# KiCad board minputer.kicad_pcb
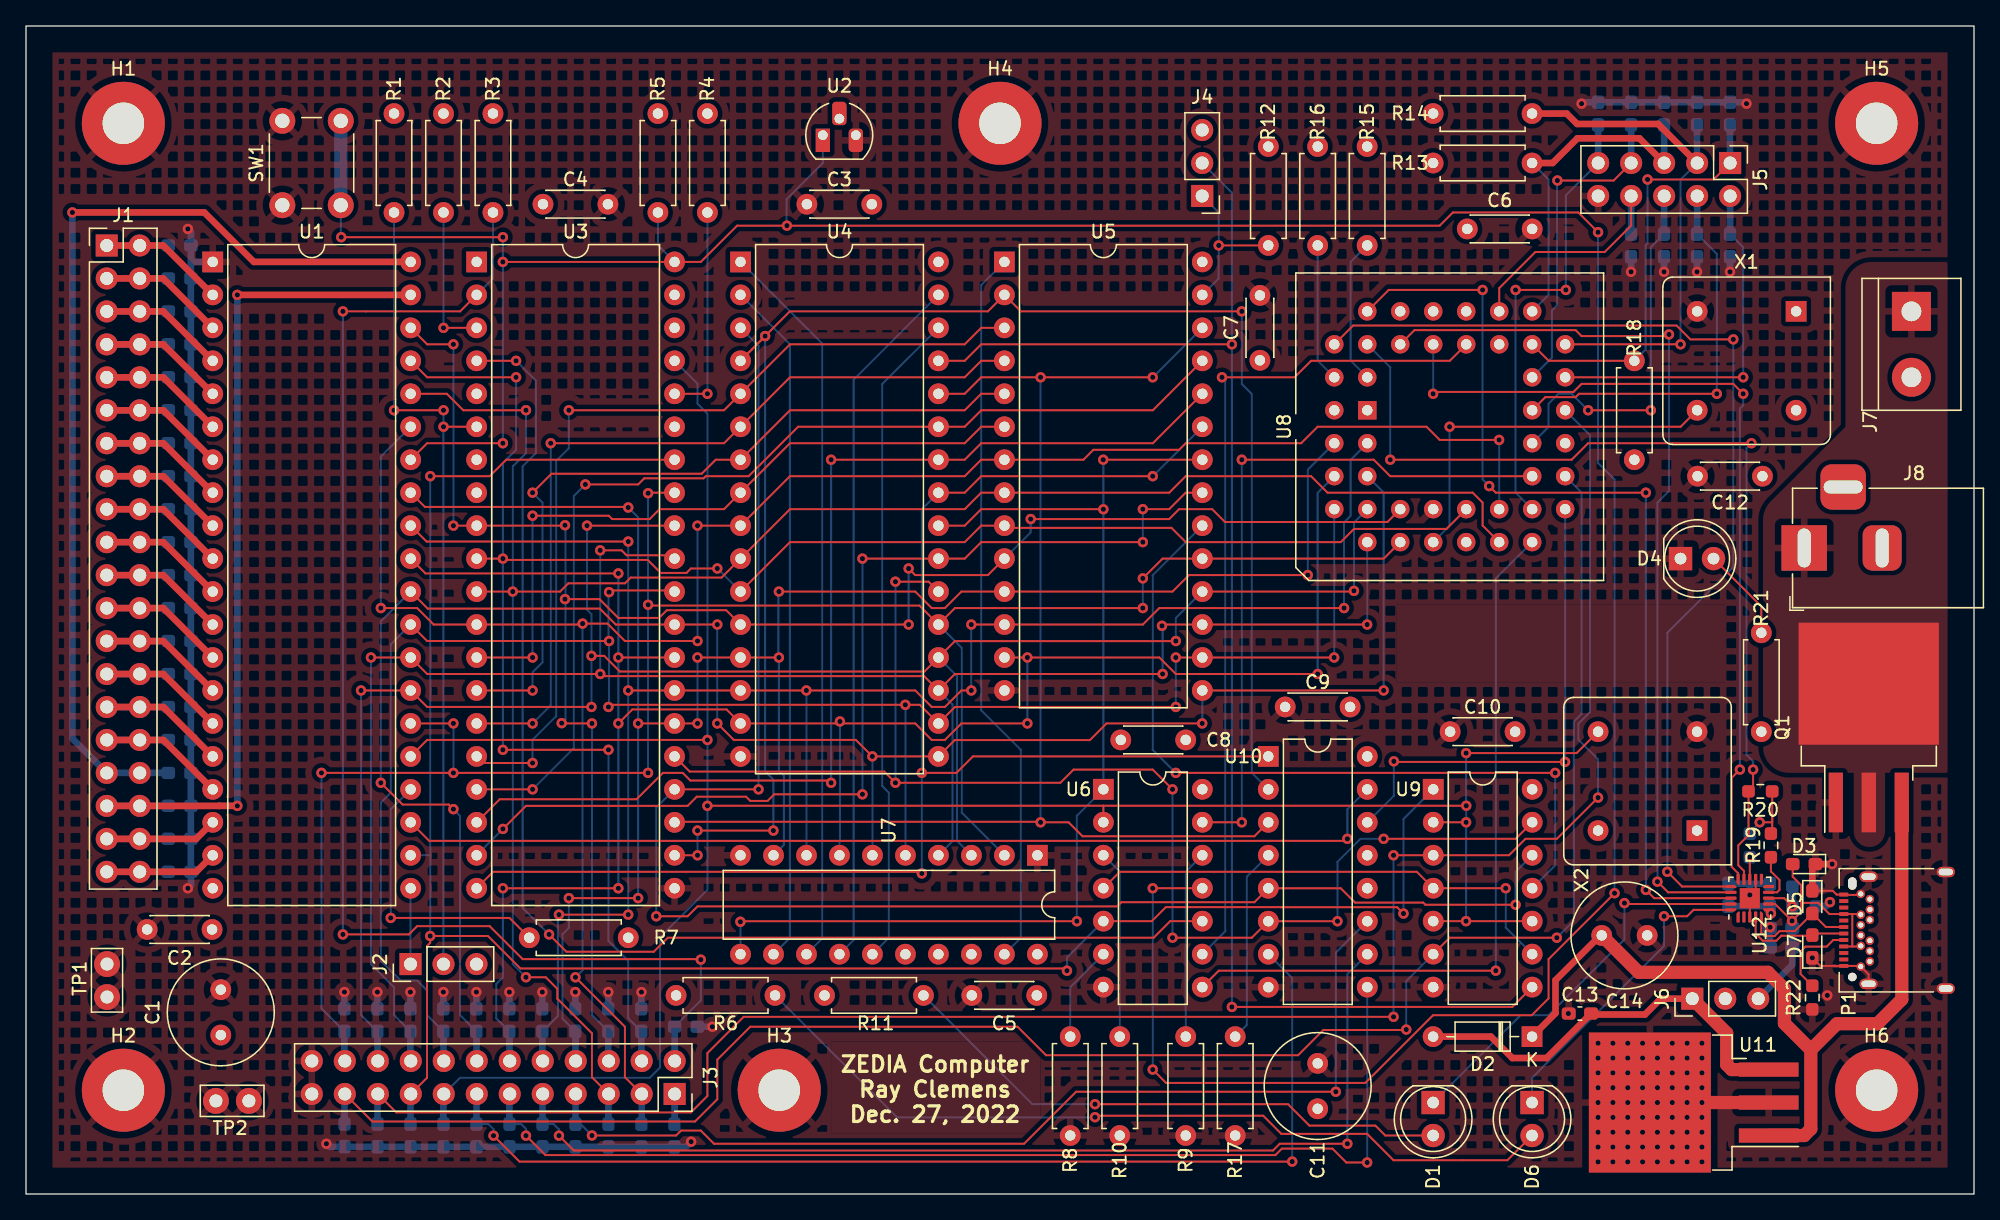
[diagram p0: board, top side]
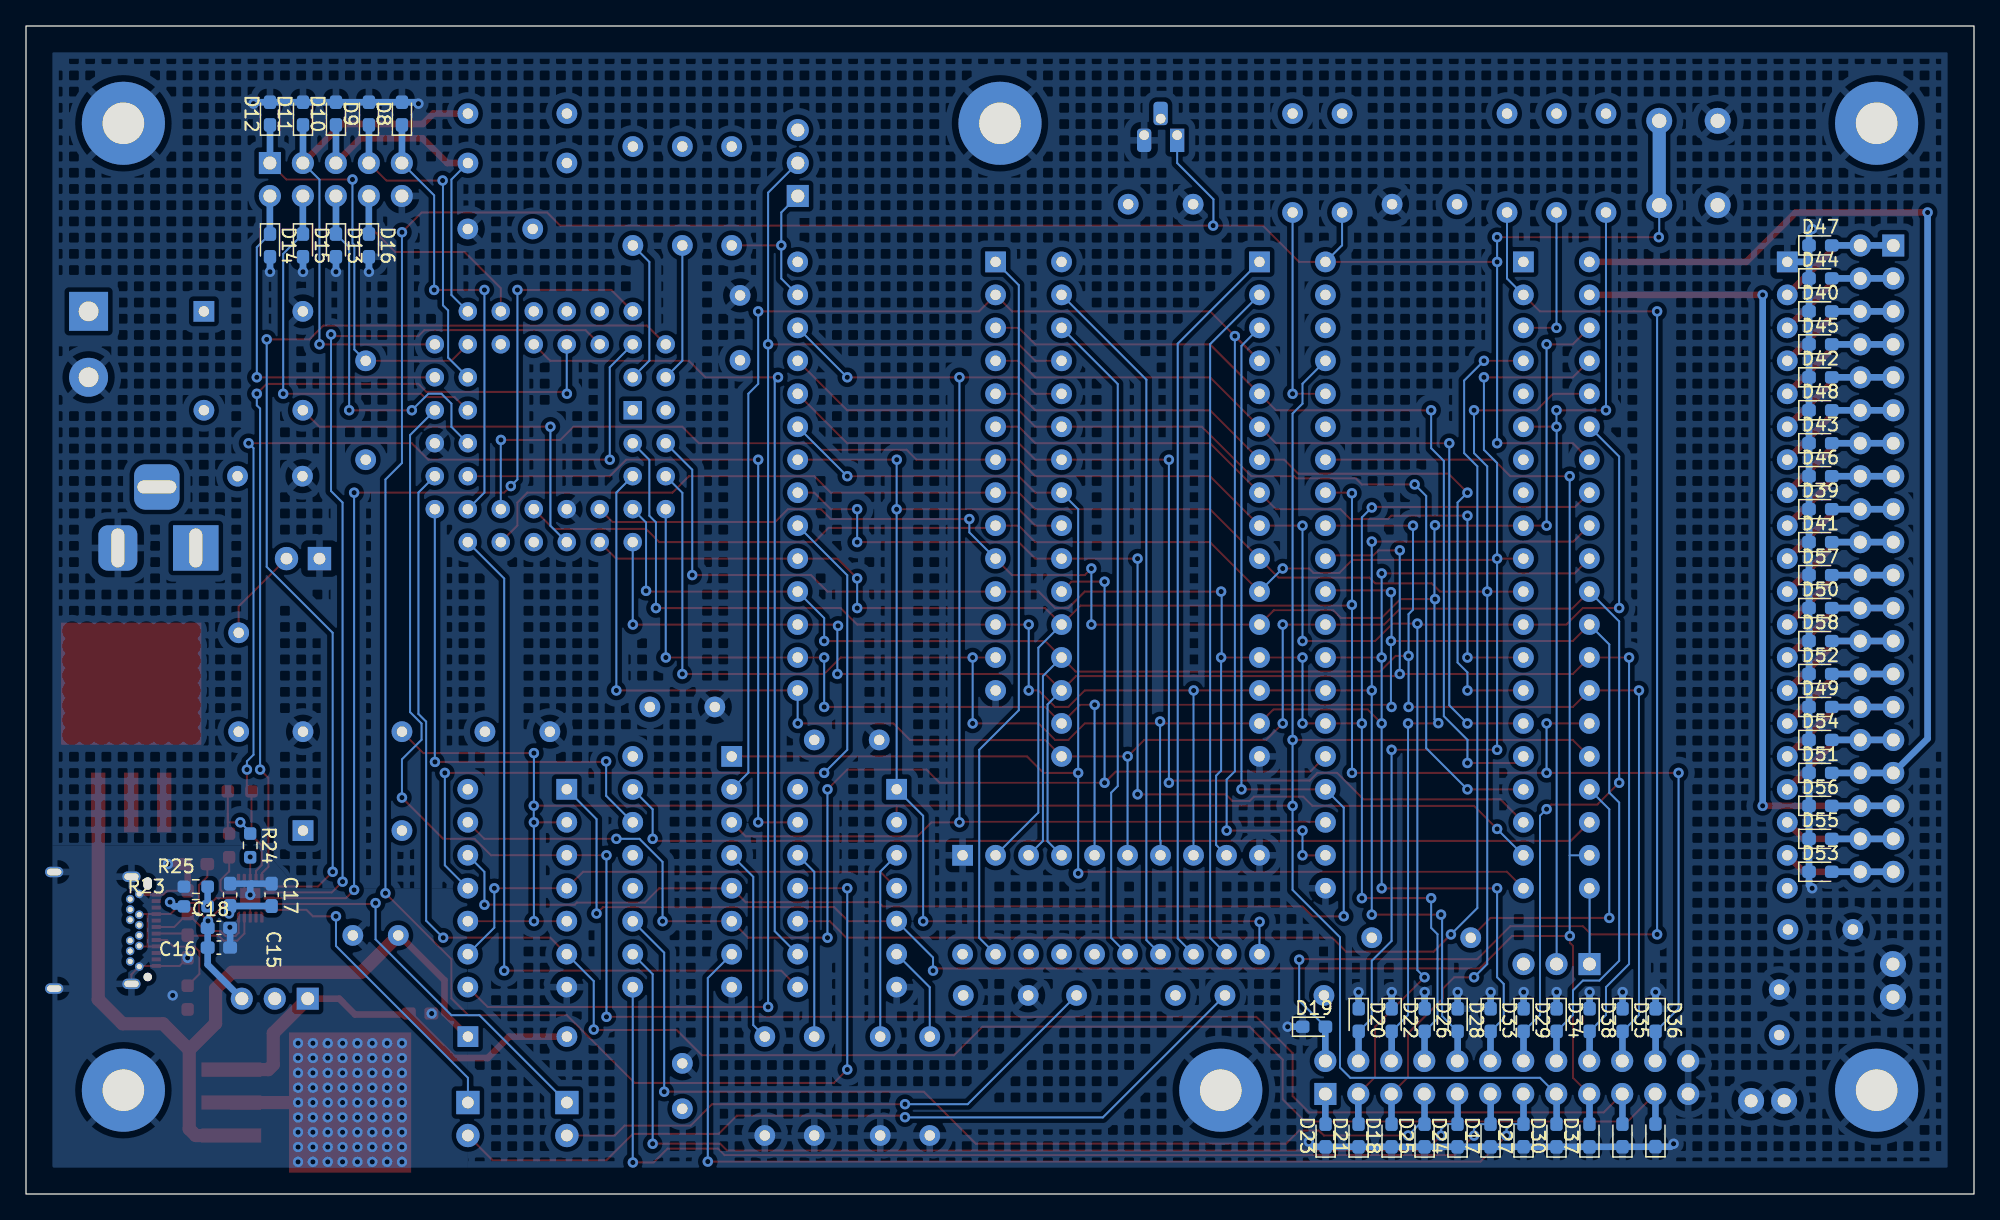
[diagram p1: board, bottom side, seen from below]

Outline 150 x 90 mm; copper layers: Top, In1.Cu, In2.Cu, Bottom. Coordinates in mm from the lower left corner of the outline.
Outline path: rectangle 0,90 150,0
Stack: Top 0.035mm / dielectric 0.48mm FR4 er 4.5 / In1.Cu 0.035mm / dielectric 0.48mm FR4 er 4.5 / In2.Cu 0.035mm / dielectric 0.48mm FR4 er 4.5 / Bottom 0.035mm

## Placement (name value [footprint] x y rotation side)
C1  150u  [C_Radial_D8.0mm_H7.0mm_P3.50mm]  15 12.25 90 top
C2  0.1u  [C_Disc_D4.3mm_W1.9mm_P5.00mm]  14.33 20.39 180 top
C3  0.1u  [C_Disc_D4.3mm_W1.9mm_P5.00mm]  65.13 76.27 180 top
C4  0.1u  [C_Disc_D4.3mm_W1.9mm_P5.00mm]  39.81 76.27 0 top
C5  0.1u  [C_Disc_D4.3mm_W1.9mm_P5.00mm]  77.83 15.31 180 top
C6  0.1u  [C_Disc_D4.3mm_W1.9mm_P5.00mm]  110.98 74.36 0 top
C7  0.1u  [C_Disc_D4.3mm_W1.9mm_P5.00mm]  95.02 64.24 90 top
C8  0.1u  [C_Disc_D4.3mm_W1.9mm_P5.00mm]  89.3 34.99 180 top
C9  0.1u  [C_Disc_D4.3mm_W1.9mm_P5.00mm]  101.96 37.53 180 top
C10  0.1u  [C_Disc_D4.3mm_W1.9mm_P5.00mm]  114.66 35.62 180 top
C11  150u  [C_Radial_D8.0mm_H7.0mm_P3.50mm]  99.46 6.57 90 top
C12  0.1u  [C_Disc_D4.3mm_W1.9mm_P5.00mm]  133.71 55.31 180 top
C13  0.1u  [C_0603_1608Metric_Pad1.08x0.95mm_HandSolder]  119.65 13.91 180 top
C14  150u  [C_Radial_D8.0mm_H7.0mm_P3.50mm]  121.33 19.93 0 top
C15  4.7u  [C_0603_1608Metric_Pad1.08x0.95mm_HandSolder]  134.28 23.05 90 bottom
C16  0.1u  [C_0603_1608Metric_Pad1.08x0.95mm_HandSolder]  135.15 18.99 180 bottom
C17  0.1u  [C_0603_1608Metric_Pad1.08x0.95mm_HandSolder]  131.08 23.05 90 bottom
C18  4.7u  [C_0603_1608Metric_Pad1.08x0.95mm_HandSolder]  135.15 20.51 180 bottom
D1  LED  [LED_D5.0mm]  108.35 7.05 270 top
D2  1N4148  [D_DO-35_SOD27_P7.62mm_Horizontal]  115.97 12.13 180 top
D3  D_TVS  [D_0603_1608Metric_Pad1.05x0.95mm_HandSolder]  136.91 25.42 180 top
D4  LED  [LED_D5.0mm]  127.4 48.96 0 top
D5  D_TVS  [D_0603_1608Metric_Pad1.05x0.95mm_HandSolder]  137.55 22.49 270 top
D6  LED  [LED_D5.0mm]  115.97 7.05 270 top
D7  D_TVS  [D_0603_1608Metric_Pad1.05x0.95mm_HandSolder]  137.55 19.07 90 top
D8  D_TVS  [D_0603_1608Metric_Pad1.05x0.95mm_HandSolder]  121.05 83.25 90 bottom
D9  D_TVS  [D_0603_1608Metric_Pad1.05x0.95mm_HandSolder]  123.59 83.25 90 bottom
D10  D_TVS  [D_0603_1608Metric_Pad1.05x0.95mm_HandSolder]  126.13 83.25 90 bottom
D11  D_TVS  [D_0603_1608Metric_Pad1.05x0.95mm_HandSolder]  128.67 83.25 90 bottom
D12  D_TVS  [D_0603_1608Metric_Pad1.05x0.95mm_HandSolder]  131.21 83.25 90 bottom
D13  D_TVS  [D_0603_1608Metric_Pad1.05x0.95mm_HandSolder]  126.13 73.09 270 bottom
D14  D_TVS  [D_0603_1608Metric_Pad1.05x0.95mm_HandSolder]  131.21 73.09 270 bottom
D15  D_TVS  [D_0603_1608Metric_Pad1.05x0.95mm_HandSolder]  128.67 73.09 270 bottom
D16  D_TVS  [D_0603_1608Metric_Pad1.05x0.95mm_HandSolder]  123.59 73.09 270 bottom
D17  D_TVS  [D_0603_1608Metric_Pad1.05x0.95mm_HandSolder]  37.23 4.51 90 bottom
D18  D_TVS  [D_0603_1608Metric_Pad1.05x0.95mm_HandSolder]  44.85 4.51 90 bottom
D19  D_TVS  [D_0603_1608Metric_Pad1.05x0.95mm_HandSolder]  50.82 12.89 180 bottom
D20  D_TVS  [D_0603_1608Metric_Pad1.05x0.95mm_HandSolder]  47.38 13.41 270 bottom
D21  D_TVS  [D_0603_1608Metric_Pad1.05x0.95mm_HandSolder]  47.39 4.51 90 bottom
D22  D_TVS  [D_0603_1608Metric_Pad1.05x0.95mm_HandSolder]  44.84 13.41 270 bottom
D23  D_TVS  [D_0603_1608Metric_Pad1.05x0.95mm_HandSolder]  49.93 4.51 90 bottom
D24  D_TVS  [D_0603_1608Metric_Pad1.05x0.95mm_HandSolder]  39.77 4.51 90 bottom
D25  D_TVS  [D_0603_1608Metric_Pad1.05x0.95mm_HandSolder]  42.31 4.51 90 bottom
D26  D_TVS  [D_0603_1608Metric_Pad1.05x0.95mm_HandSolder]  42.3 13.41 270 bottom
D27  D_TVS  [D_0603_1608Metric_Pad1.05x0.95mm_HandSolder]  34.69 4.52 90 bottom
D28  D_TVS  [D_0603_1608Metric_Pad1.05x0.95mm_HandSolder]  39.76 13.41 270 bottom
D29  D_TVS  [D_0603_1608Metric_Pad1.05x0.95mm_HandSolder]  34.68 13.41 270 bottom
D30  D_TVS  [D_0603_1608Metric_Pad1.05x0.95mm_HandSolder]  32.15 4.51 90 bottom
D31  D_TVS  [D_0603_1608Metric_Pad1.05x0.95mm_HandSolder]  27.07 4.52 90 bottom
D32  D_TVS  [D_0603_1608Metric_Pad1.05x0.95mm_HandSolder]  24.53 4.52 90 bottom
D33  D_TVS  [D_0603_1608Metric_Pad1.05x0.95mm_HandSolder]  37.22 13.41 270 bottom
D34  D_TVS  [D_0603_1608Metric_Pad1.05x0.95mm_HandSolder]  32.14 13.41 270 bottom
D35  D_TVS  [D_0603_1608Metric_Pad1.05x0.95mm_HandSolder]  27.06 13.41 270 bottom
D36  D_TVS  [D_0603_1608Metric_Pad1.05x0.95mm_HandSolder]  24.52 13.41 270 bottom
D37  D_TVS  [D_0603_1608Metric_Pad1.05x0.95mm_HandSolder]  29.61 4.51 90 bottom
D38  D_TVS  [D_0603_1608Metric_Pad1.05x0.95mm_HandSolder]  29.6 13.41 270 bottom
D39  D_TVS  [D_0603_1608Metric_Pad1.05x0.95mm_HandSolder]  11.83 52.77 180 bottom
D40  D_TVS  [D_0603_1608Metric_Pad1.05x0.95mm_HandSolder]  11.83 68.01 180 bottom
D41  D_TVS  [D_0603_1608Metric_Pad1.05x0.95mm_HandSolder]  11.83 50.23 180 bottom
D42  D_TVS  [D_0603_1608Metric_Pad1.05x0.95mm_HandSolder]  11.83 62.93 180 bottom
D43  D_TVS  [D_0603_1608Metric_Pad1.05x0.95mm_HandSolder]  11.83 57.85 180 bottom
D44  D_TVS  [D_0603_1608Metric_Pad1.05x0.95mm_HandSolder]  11.83 70.55 180 bottom
D45  D_TVS  [D_0603_1608Metric_Pad1.05x0.95mm_HandSolder]  11.83 65.47 180 bottom
D46  D_TVS  [D_0603_1608Metric_Pad1.05x0.95mm_HandSolder]  11.83 55.31 180 bottom
D47  D_TVS  [D_0603_1608Metric_Pad1.05x0.95mm_HandSolder]  11.83 73.09 180 bottom
D48  D_TVS  [D_0603_1608Metric_Pad1.05x0.95mm_HandSolder]  11.83 60.39 180 bottom
D49  D_TVS  [D_0603_1608Metric_Pad1.05x0.95mm_HandSolder]  11.83 37.53 180 bottom
D50  D_TVS  [D_0603_1608Metric_Pad1.05x0.95mm_HandSolder]  11.83 45.15 180 bottom
D51  D_TVS  [D_0603_1608Metric_Pad1.05x0.95mm_HandSolder]  11.83 32.45 180 bottom
D52  D_TVS  [D_0603_1608Metric_Pad1.05x0.95mm_HandSolder]  11.83 40.07 180 bottom
D53  D_TVS  [D_0603_1608Metric_Pad1.05x0.95mm_HandSolder]  11.83 24.83 180 bottom
D54  D_TVS  [D_0603_1608Metric_Pad1.05x0.95mm_HandSolder]  11.83 34.99 180 bottom
D55  D_TVS  [D_0603_1608Metric_Pad1.05x0.95mm_HandSolder]  11.83 27.37 180 bottom
D56  D_TVS  [D_0603_1608Metric_Pad1.05x0.95mm_HandSolder]  11.83 29.91 180 bottom
D57  D_TVS  [D_0603_1608Metric_Pad1.05x0.95mm_HandSolder]  11.83 47.69 180 bottom
D58  D_TVS  [D_0603_1608Metric_Pad1.05x0.95mm_HandSolder]  11.83 42.61 180 bottom
H1  MountingHole_Pad  [MountingHole_3.2mm_M3_Pad]  7.5 82.5 0 top
H2  MountingHole_Pad  [MountingHole_3.2mm_M3_Pad]  7.5 8 0 top
H3  MountingHole_Pad  [MountingHole_3.2mm_M3_Pad]  58 8 0 top
H4  MountingHole_Pad  [MountingHole_3.2mm_M3_Pad]  75 82.5 0 top
H5  MountingHole_Pad  [MountingHole_3.2mm_M3_Pad]  142.5 82.5 0 top
H6  MountingHole_Pad  [MountingHole_3.2mm_M3_Pad]  142.5 8 0 top
J1  Conn_02x20_Odd_Even  [PinHeader_2x20_P2.54mm_Vertical]  6.22 73.09 0 top
J2  Conn_01x03_Male  [PinHeader_1x03_P2.54mm_Vertical]  29.61 17.72 90 top
J3  Conn_02x12_Odd_Even  [PinSocket_2x12_P2.54mm_Vertical]  49.95 7.71 270 top
J4  Conn_01x03_Male  [PinHeader_1x03_P2.54mm_Vertical]  90.57 76.9 180 top
J5  Conn_02x05_Odd_Even  [PinHeader_2x05_P2.54mm_Vertical]  131.22 79.44 270 top
J6  Conn_01x03_Male  [PinHeader_1x03_P2.54mm_Vertical]  128.3 15.05 90 top
J7  Screw_Terminal_01x02  [TerminalBlock_bornier-2_P5.08mm]  145.18 68.01 270 top
J8  Barrel_Jack  [BarrelJack_Horizontal]  136.93 49.78 180 top
P1  USB_C_Plug_USB2.0  [USB_C_Receptacle_Amphenol_12401548E4-2A]  144.99 20.32 90 top
Q1  Q_PMOS_GDS  [TO-263-3_TabPin2]  141.9 35.94 90 top
R1  1k  [R_Axial_DIN0207_L6.3mm_D2.5mm_P7.62mm_Horizontal]  28.34 83.25 270 top
R2  1k  [R_Axial_DIN0207_L6.3mm_D2.5mm_P7.62mm_Horizontal]  32.15 83.25 270 top
R3  1k  [R_Axial_DIN0207_L6.3mm_D2.5mm_P7.62mm_Horizontal]  35.96 83.25 270 top
R4  1k  [R_Axial_DIN0207_L6.3mm_D2.5mm_P7.62mm_Horizontal]  52.47 83.25 270 top
R5  1k  [R_Axial_DIN0207_L6.3mm_D2.5mm_P7.62mm_Horizontal]  48.66 83.25 270 top
R6  330  [R_Axial_DIN0207_L6.3mm_D2.5mm_P7.62mm_Horizontal]  50.06 15.31 0 top
R7  1k  [R_Axial_DIN0207_L6.3mm_D2.5mm_P7.62mm_Horizontal]  46.37 19.75 180 top
R8  1k  [R_Axial_DIN0207_L6.3mm_D2.5mm_P7.62mm_Horizontal]  80.41 12.13 270 top
R9  1k  [R_Axial_DIN0207_L6.3mm_D2.5mm_P7.62mm_Horizontal]  89.3 12.13 270 top
R10  1k  [R_Axial_DIN0207_L6.3mm_D2.5mm_P7.62mm_Horizontal]  84.22 12.13 270 top
R11  330  [R_Axial_DIN0207_L6.3mm_D2.5mm_P7.62mm_Horizontal]  61.49 15.31 0 top
R12  1k  [R_Axial_DIN0207_L6.3mm_D2.5mm_P7.62mm_Horizontal]  95.66 80.71 270 top
R13  1k  [R_Axial_DIN0207_L6.3mm_D2.5mm_P7.62mm_Horizontal]  108.35 79.44 0 top
R14  1k  [R_Axial_DIN0207_L6.3mm_D2.5mm_P7.62mm_Horizontal]  108.35 83.25 0 top
R15  1k  [R_Axial_DIN0207_L6.3mm_D2.5mm_P7.62mm_Horizontal]  103.27 80.71 270 top
R16  1k  [R_Axial_DIN0207_L6.3mm_D2.5mm_P7.62mm_Horizontal]  99.46 80.71 270 top
R17  1k  [R_Axial_DIN0207_L6.3mm_D2.5mm_P7.62mm_Horizontal]  93.11 12.13 270 top
R18  1k  [R_Axial_DIN0207_L6.3mm_D2.5mm_P7.62mm_Horizontal]  123.84 56.58 90 top
R19  1k  [R_0603_1608Metric_Pad0.98x0.95mm_HandSolder]  134.36 26.86 270 top
R20  10k  [R_0603_1608Metric_Pad0.98x0.95mm_HandSolder]  133.55 31.03 180 top
R21  330  [R_Axial_DIN0207_L6.3mm_D2.5mm_P7.62mm_Horizontal]  133.62 35.62 90 top
R22  5.1k  [R_0603_1608Metric_Pad0.98x0.95mm_HandSolder]  137.55 15.14 90 top
R23  47.5k  [R_0603_1608Metric_Pad0.98x0.95mm_HandSolder]  136.93 23.69 0 bottom
R24  1k  [R_0603_1608Metric_Pad0.98x0.95mm_HandSolder]  132.73 26.86 270 bottom
R25  22.1k  [R_0603_1608Metric_Pad0.98x0.95mm_HandSolder]  136.93 22.16 180 bottom
SW1  SW_Push  [SW_PUSH_6mm]  19.74 76.19 90 top
TP1  TestPoint  [TestPoint_Bridge_Pitch2.54mm_Drill1.0mm]  6.24 17.72 270 top
TP2  TestPoint  [TestPoint_Bridge_Pitch2.54mm_Drill1.0mm]  14.62 7.18 0 top
U1  W65C22  [DIP-40_W15.24mm]  14.38 71.82 0 top
U2  DS1318  [TO-92L_HandSolder]  61.36 81.59 0 top
U3  W65C816  [DIP-40_W15.24mm]  34.7 71.82 0 top
U4  AS6C4008-55PCN  [DIP-32_W15.24mm]  55.02 71.82 0 top
U5  28C256  [DIP-28_W15.24mm]  75.34 71.82 0 top
U6  74HC02  [DIP-14_W7.62mm]  82.96 31.19 0 top
U7  74LS573  [DIP-20_W7.62mm]  77.88 26.1 270 top
U8  16C2552_PLCC  [PLCC-44_THT-Socket]  103.28 60.39 90 top
U9  74HC00  [DIP-14_W7.62mm]  108.36 31.19 0 top
U10  74LS138  [DIP-16_W7.62mm]  95.66 33.72 0 top
U11  L7805  [TO-263-3_TabPin2]  128.42 7.05 180 top
U12  CP2102N-Axx-xQFN20  [VQFN-20-1EP_3x3mm_P0.45mm_EP1.55x1.55mm]  132.73 22.8 90 top
X1  CXO_DIP8  [Oscillator_DIP-8]  136.3 68.01 180 top
X2  CXO_DIP8  [Oscillator_DIP-8]  128.67 28 90 top

## Footprints (pads in the part's own frame, mm; a bottom-side part is the same pattern mirrored in y, then rotated)
BarrelJack_Horizontal
  rect 3.5x3.5 hole 1x3: 1(0,0)
  rrect 3x3.5 hole 1x3: 2(-6,0)
  rrect 3.5x3.5 hole 3x1: 3(-3,-4.7)
C_0603_1608Metric_Pad1.08x0.95mm_HandSolder
  rrect 1.075x0.95 smd: 1(-0.863,0) 2(0.863,0)
C_Disc_D4.3mm_W1.9mm_P5.00mm
  round 1.6 hole 0.8: 1(0,0) 2(5,0)
C_Radial_D8.0mm_H7.0mm_P3.50mm
  round 1.6 hole 0.8: 1(0,0) 2(3.5,0)
D_0603_1608Metric_Pad1.05x0.95mm_HandSolder
  rrect 1.05x0.95 smd: 1(-0.875,0) 2(0.875,0)
D_DO-35_SOD27_P7.62mm_Horizontal
  rect 1.6x1.6 hole 0.8: 1(0,0)
  oval 1.6x1.6 hole 0.8: 2(7.62,0)
DIP-14_W7.62mm
  rect 1.6x1.6 hole 0.8: 1(0,0)
  oval 1.6x1.6 hole 0.8: 2(0,-2.54) 3(0,-5.08) 4(0,-7.62) 5(0,-10.16) 6(0,-12.7) 7(0,-15.24) 8(7.62,-15.24) 9(7.62,-12.7) 10(7.62,-10.16) 11(7.62,-7.62) 12(7.62,-5.08) 13(7.62,-2.54) 14(7.62,0)
DIP-16_W7.62mm
  rect 1.6x1.6 hole 0.8: 1(0,0)
  oval 1.6x1.6 hole 0.8: 2(0,-2.54) 3(0,-5.08) 4(0,-7.62) 5(0,-10.16) 6(0,-12.7) 7(0,-15.24) 8(0,-17.78) 9(7.62,-17.78) 10(7.62,-15.24) 11(7.62,-12.7) 12(7.62,-10.16) 13(7.62,-7.62) 14(7.62,-5.08) 15(7.62,-2.54) 16(7.62,0)
DIP-20_W7.62mm
  rect 1.6x1.6 hole 0.8: 1(0,0)
  oval 1.6x1.6 hole 0.8: 2(0,-2.54) 3(0,-5.08) 4(0,-7.62) 5(0,-10.16) 6(0,-12.7) 7(0,-15.24) 8(0,-17.78) 9(0,-20.32) 10(0,-22.86) 11(7.62,-22.86) 12(7.62,-20.32) 13(7.62,-17.78) 14(7.62,-15.24) 15(7.62,-12.7) 16(7.62,-10.16) 17(7.62,-7.62) 18(7.62,-5.08) 19(7.62,-2.54) 20(7.62,0)
DIP-28_W15.24mm
  rect 1.6x1.6 hole 0.8: 1(0,0)
  oval 1.6x1.6 hole 0.8: 2(0,-2.54) 3(0,-5.08) 4(0,-7.62) 5(0,-10.16) 6(0,-12.7) 7(0,-15.24) 8(0,-17.78) 9(0,-20.32) 10(0,-22.86) 11(0,-25.4) 12(0,-27.94) 13(0,-30.48) 14(0,-33.02) 15(15.24,-33.02) 16(15.24,-30.48) 17(15.24,-27.94) 18(15.24,-25.4) 19(15.24,-22.86) 20(15.24,-20.32) 21(15.24,-17.78) 22(15.24,-15.24) 23(15.24,-12.7) 24(15.24,-10.16) 25(15.24,-7.62) 26(15.24,-5.08) 27(15.24,-2.54) 28(15.24,0)
DIP-32_W15.24mm
  rect 1.6x1.6 hole 0.8: 1(0,0)
  oval 1.6x1.6 hole 0.8: 2(0,-2.54) 3(0,-5.08) 4(0,-7.62) 5(0,-10.16) 6(0,-12.7) 7(0,-15.24) 8(0,-17.78) 9(0,-20.32) 10(0,-22.86) 11(0,-25.4) 12(0,-27.94) 13(0,-30.48) 14(0,-33.02) 15(0,-35.56) 16(0,-38.1) 17(15.24,-38.1) 18(15.24,-35.56) 19(15.24,-33.02) 20(15.24,-30.48) 21(15.24,-27.94) 22(15.24,-25.4) 23(15.24,-22.86) 24(15.24,-20.32) 25(15.24,-17.78) 26(15.24,-15.24) 27(15.24,-12.7) 28(15.24,-10.16) 29(15.24,-7.62) 30(15.24,-5.08) 31(15.24,-2.54) 32(15.24,0)
DIP-40_W15.24mm
  rect 1.6x1.6 hole 0.8: 1(0,0)
  oval 1.6x1.6 hole 0.8: 2(0,-2.54) 3(0,-5.08) 4(0,-7.62) 5(0,-10.16) 6(0,-12.7) 7(0,-15.24) 8(0,-17.78) 9(0,-20.32) 10(0,-22.86) 11(0,-25.4) 12(0,-27.94) 13(0,-30.48) 14(0,-33.02) 15(0,-35.56) 16(0,-38.1) 17(0,-40.64) 18(0,-43.18) 19(0,-45.72) 20(0,-48.26) 21(15.24,-48.26) 22(15.24,-45.72) 23(15.24,-43.18) 24(15.24,-40.64) 25(15.24,-38.1) 26(15.24,-35.56) 27(15.24,-33.02) 28(15.24,-30.48) 29(15.24,-27.94) 30(15.24,-25.4) 31(15.24,-22.86) 32(15.24,-20.32) 33(15.24,-17.78) 34(15.24,-15.24) 35(15.24,-12.7) 36(15.24,-10.16) 37(15.24,-7.62) 38(15.24,-5.08) 39(15.24,-2.54) 40(15.24,0)
LED_D5.0mm
  rect 1.8x1.8 hole 0.9: 1(0,0)
  round 1.8 hole 0.9: 2(2.54,0)
MountingHole_3.2mm_M3_Pad
  round 6.4 hole 3.2: 1(0,0)
Oscillator_DIP-8
  rect 1.6x1.6 hole 0.8: 1(0,0)
  round 1.6 hole 0.8: 4(7.62,0) 5(7.62,7.62) 8(0,7.62)
PinHeader_1x03_P2.54mm_Vertical
  rect 1.7x1.7 hole 1: 1(0,0)
  oval 1.7x1.7 hole 1: 2(0,-2.54) 3(0,-5.08)
PinHeader_2x05_P2.54mm_Vertical
  rect 1.7x1.7 hole 1: 1(0,0)
  oval 1.7x1.7 hole 1: 2(2.54,0) 3(0,-2.54) 4(2.54,-2.54) 5(0,-5.08) 6(2.54,-5.08) 7(0,-7.62) 8(2.54,-7.62) 9(0,-10.16) 10(2.54,-10.16)
PinHeader_2x20_P2.54mm_Vertical
  rect 1.7x1.7 hole 1: 1(0,0)
  oval 1.7x1.7 hole 1: 2(2.54,0) 3(0,-2.54) 4(2.54,-2.54) 5(0,-5.08) 6(2.54,-5.08) 7(0,-7.62) 8(2.54,-7.62) 9(0,-10.16) 10(2.54,-10.16) 11(0,-12.7) 12(2.54,-12.7) 13(0,-15.24) 14(2.54,-15.24) 15(0,-17.78) 16(2.54,-17.78) 17(0,-20.32) 18(2.54,-20.32) 19(0,-22.86) 20(2.54,-22.86) 21(0,-25.4) 22(2.54,-25.4) 23(0,-27.94) 24(2.54,-27.94) 25(0,-30.48) 26(2.54,-30.48) 27(0,-33.02) 28(2.54,-33.02) 29(0,-35.56) 30(2.54,-35.56) 31(0,-38.1) 32(2.54,-38.1) 33(0,-40.64) 34(2.54,-40.64) 35(0,-43.18) 36(2.54,-43.18) 37(0,-45.72) 38(2.54,-45.72) 39(0,-48.26) 40(2.54,-48.26)
PinSocket_2x12_P2.54mm_Vertical
  rect 1.7x1.7 hole 1: 1(0,0)
  oval 1.7x1.7 hole 1: 2(-2.54,0) 3(0,-2.54) 4(-2.54,-2.54) 5(0,-5.08) 6(-2.54,-5.08) 7(0,-7.62) 8(-2.54,-7.62) 9(0,-10.16) 10(-2.54,-10.16) 11(0,-12.7) 12(-2.54,-12.7) 13(0,-15.24) 14(-2.54,-15.24) 15(0,-17.78) 16(-2.54,-17.78) 17(0,-20.32) 18(-2.54,-20.32) 19(0,-22.86) 20(-2.54,-22.86) 21(0,-25.4) 22(-2.54,-25.4) 23(0,-27.94) 24(-2.54,-27.94)
PLCC-44_THT-Socket
  rect 1.422x1.422 hole 0.8: 1(0,0)
  round 1.422 hole 0.8: 2(-2.54,2.54) 3(-2.54,0) 4(-5.08,2.54) 5(-5.08,0) 6(-7.62,2.54) 7(-10.16,0) 8(-7.62,0) 9(-10.16,-2.54) 10(-7.62,-2.54) 11(-10.16,-5.08) 12(-7.62,-5.08) 13(-10.16,-7.62) 14(-7.62,-7.62) 15(-10.16,-10.16) 16(-7.62,-10.16) 17(-10.16,-12.7) 18(-7.62,-15.24) 19(-7.62,-12.7) 20(-5.08,-15.24) 21(-5.08,-12.7) 22(-2.54,-15.24) 23(-2.54,-12.7) 24(0,-15.24) 25(0,-12.7) 26(2.54,-15.24) 27(2.54,-12.7) 28(5.08,-15.24) 29(7.62,-12.7) 30(5.08,-12.7) 31(7.62,-10.16) 32(5.08,-10.16) 33(7.62,-7.62) 34(5.08,-7.62) 35(7.62,-5.08) 36(5.08,-5.08) 37(7.62,-2.54) 38(5.08,-2.54) 39(7.62,0) 40(5.08,2.54) 41(5.08,0) 42(2.54,2.54) 43(2.54,0) 44(0,2.54)
R_0603_1608Metric_Pad0.98x0.95mm_HandSolder
  rrect 0.975x0.95 smd: 1(-0.912,0) 2(0.912,0)
R_Axial_DIN0207_L6.3mm_D2.5mm_P7.62mm_Horizontal
  round 1.6 hole 0.8: 1(0,0)
  oval 1.6x1.6 hole 0.8: 2(7.62,0)
SW_PUSH_6mm
  round 2 hole 1.1: 1(0,0) 1(6.5,0) 2(0,-4.5) 2(6.5,-4.5)
TerminalBlock_bornier-2_P5.08mm
  rect 3x3 hole 1.52: 1(0,0)
  round 3 hole 1.52: 2(5.08,0)
TestPoint_Bridge_Pitch2.54mm_Drill1.0mm
  round 2 hole 1: 1(0,0) 1(2.54,0)
TO-92L_HandSolder
  rect 1.1x1.8 hole 0.75: 1(0,0)
  rrect 1.1x1.8 hole 0.75: 2(1.27,1.27) 3(2.54,0)
TO-263-3_TabPin2
  rect 4.55x5.25 smd: (0.95,2.775) (0.95,-2.775) (5.8,2.775) (5.8,-2.775)
  rect 4.6x1.1 smd: 1(-5.775,2.54) 2(-5.775,0) 3(-5.775,-2.54)
  rect 9.4x10.8 smd: 2(3.375,0)
USB_C_Receptacle_Amphenol_12401548E4-2A
  round 0.65 hole 0.65 unplated: (-3.6,4.36)
  oval 0.95x0.65 hole 0.95x0.65 unplated: (3.6,4.36)
  rect 0.3x0.7 smd: A1(-2.75,5.02) A2(-2.25,5.02) A3(-1.75,5.02) A4(-1.25,5.02) A5(-0.75,5.02) A6(-0.25,5.02) A7(0.25,5.02) A8(0.75,5.02) A9(1.25,5.02) A10(1.75,5.02) A11(2.25,5.02) A12(2.75,5.02)
  round 0.65 hole 0.4: B1(2.8,3.71) B2(2.4,3.01) B3(1.6,3.01) B4(1.2,3.71) B5(0.8,3.01) B6(0.4,3.71) B7(-0.4,3.71) B8(-0.8,3.01) B9(-1.2,3.71) B10(-1.6,3.01) B11(-2.4,3.01) B12(-2.8,3.71)
  oval 0.8x1.4 hole 0.5x1.1: S1(-4.49,-2.84) S1(-4.13,3.11) S1(4.13,3.11) S1(4.49,-2.84)
VQFN-20-1EP_3x3mm_P0.45mm_EP1.55x1.55mm
  rrect 0.62x0.62 smd: (-0.39,0.39) (-0.39,-0.39) (0.39,0.39) (0.39,-0.39)
  custom 0.85x0.25 smd: 1(-1.45,0.9) 5(-1.45,-0.9) 11(1.45,-0.9) 15(1.45,0.9)
  rrect 0.85x0.25 smd: 2(-1.45,0.45) 3(-1.45,0) 4(-1.45,-0.45) 12(1.45,-0.45) 13(1.45,0) 14(1.45,0.45)
  custom 0.25x0.85 smd: 6(-0.9,-1.45) 10(0.9,-1.45) 16(0.9,1.45) 20(-0.9,1.45)
  rrect 0.25x0.85 smd: 7(-0.45,-1.45) 8(0,-1.45) 9(0.45,-1.45) 17(0.45,1.45) 18(0,1.45) 19(-0.45,1.45)
  rect 1.55x1.55 smd: 21(0,0)
